# KiCad board AMLDC-2044B.kicad_pcb (continued)
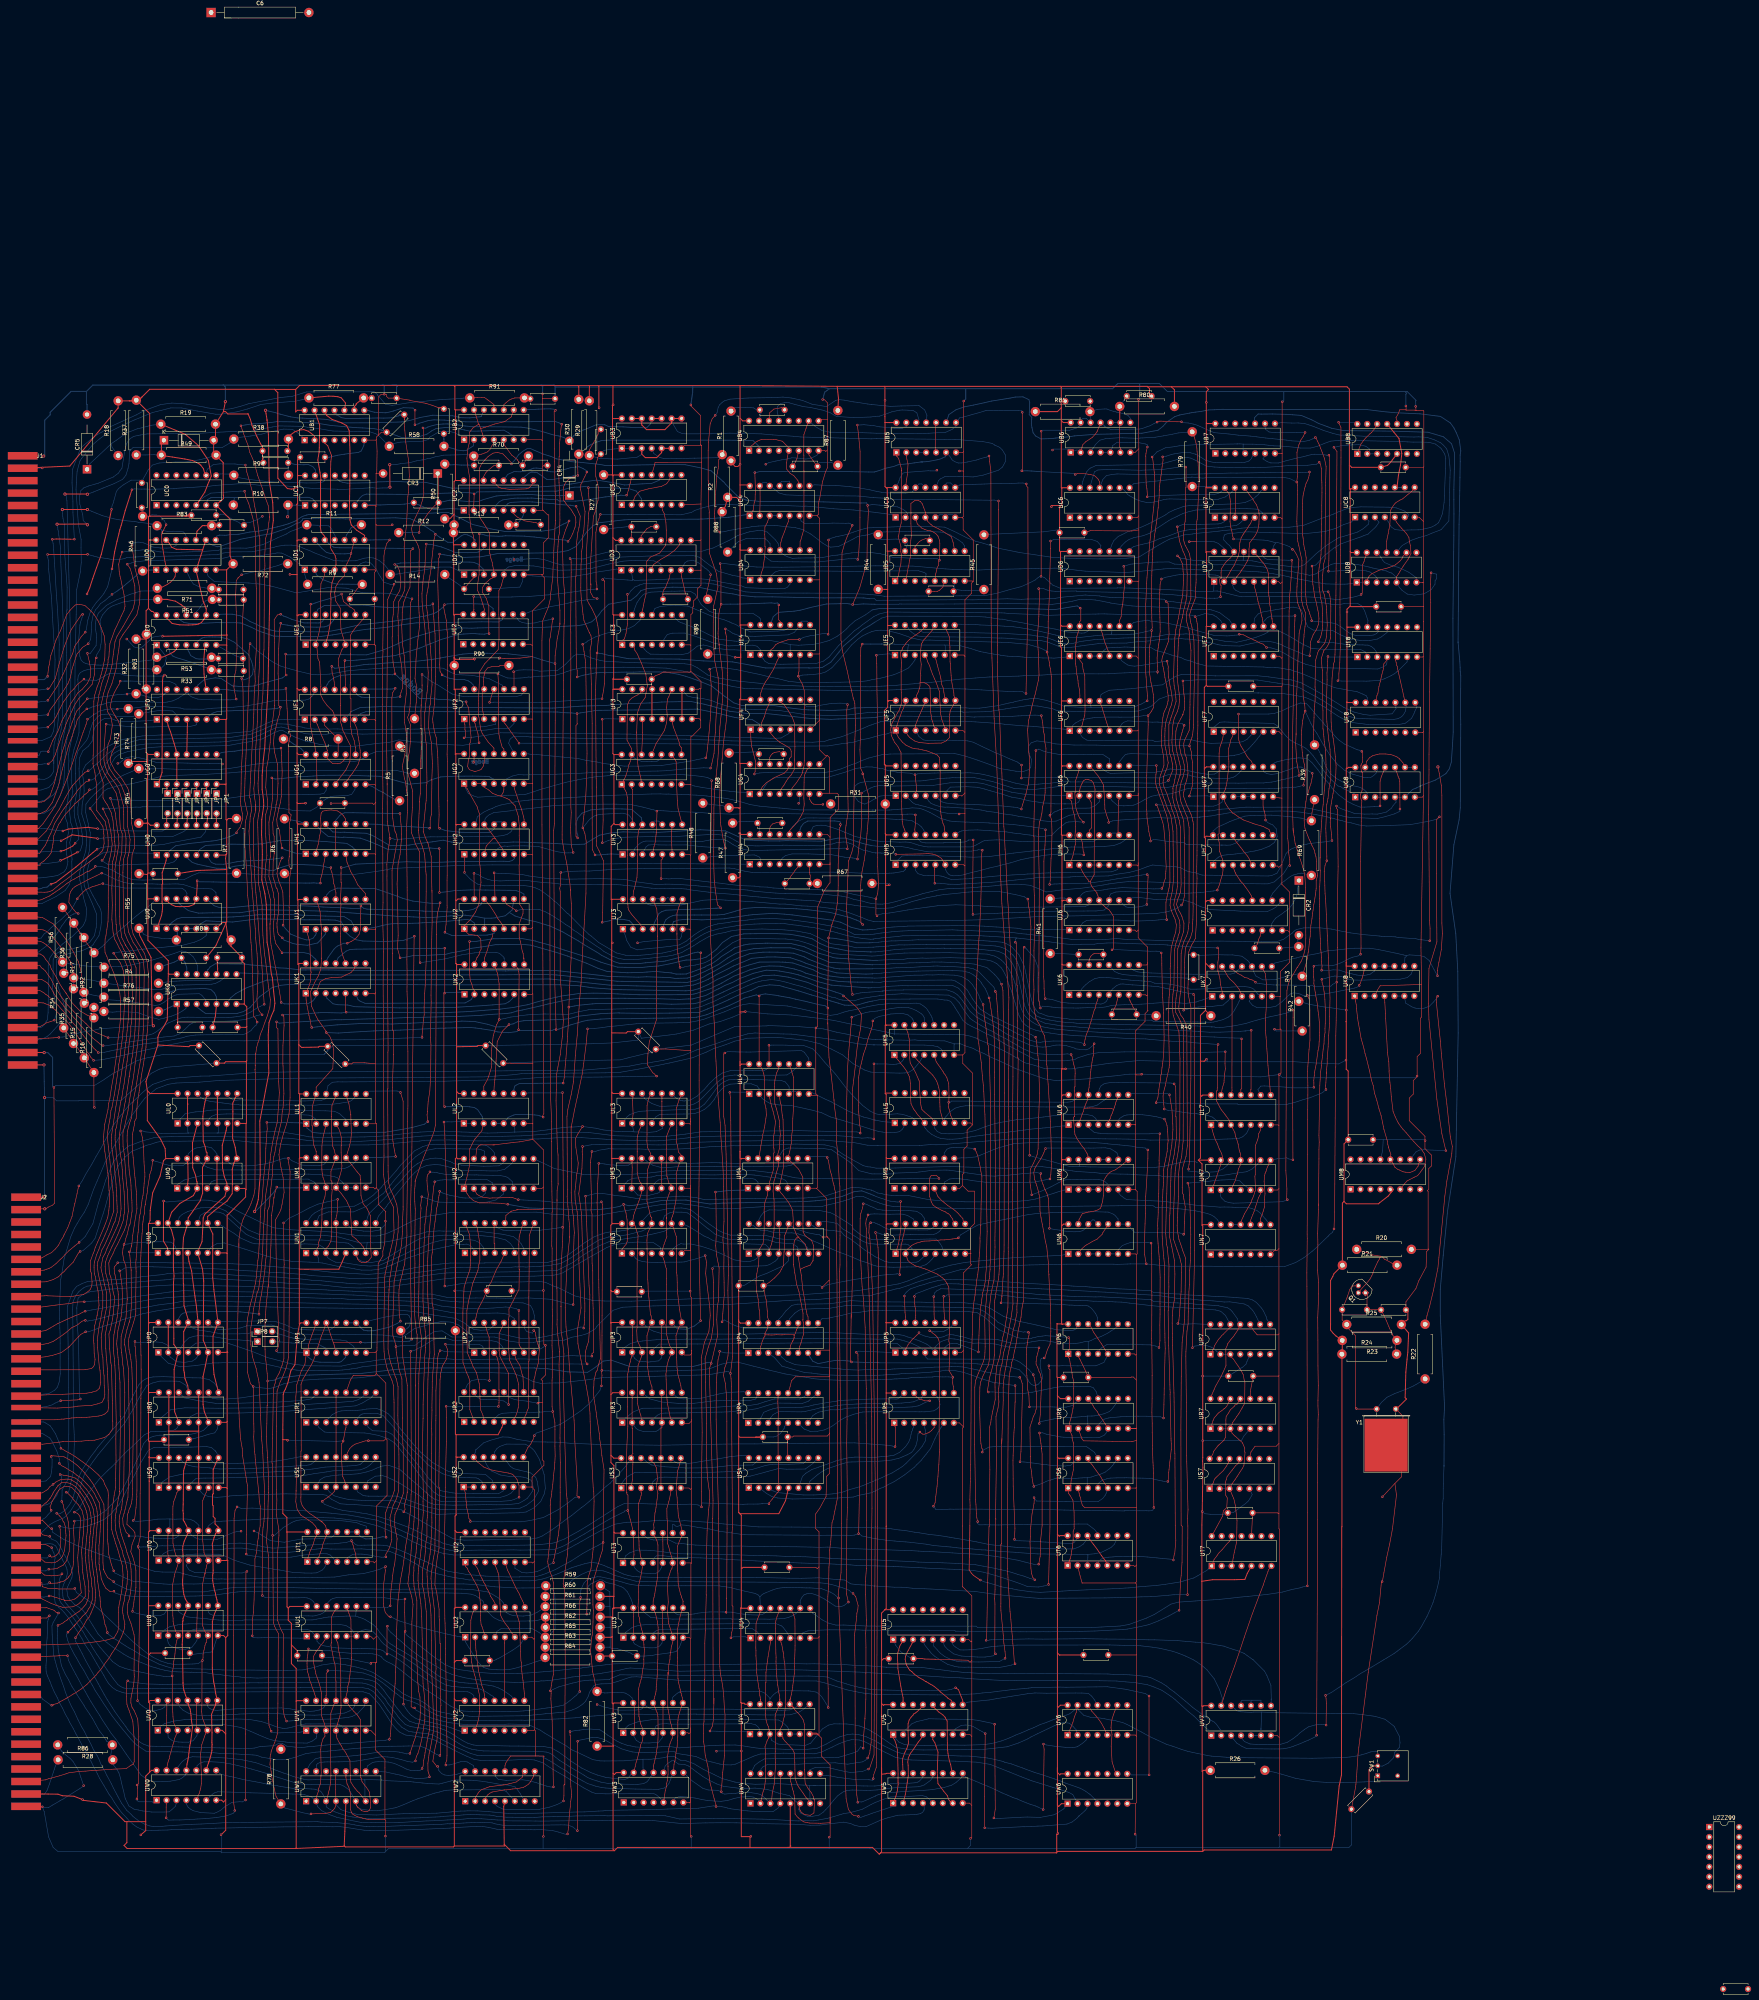
[diagram p0: board, top side]
## Routing (per net, layer and track width the routed paths; a pad name or vN(x,y) marks a point on that pad's centre or on a via; arc(x,y) is an arc through that point) (continued)
T0p9: length 241.6
  Top w0.2: UT6.5 352.47,109.08 352.01,109.67 351.43,110.43 350.13,112.33 349.37,113.32 348.3,114.69 UT6.12
  Bottom w0.15: 292.82,117.61 272.18,117.77 263.7,117.82 258.17,118.28 254.79,118.57 251.04,118.99 244.82,119.4 242.75,119.22 238.47,119.52 232.72,119.01 230.09,119.01 227.04,118.5 223.32,116.8 220.32,115.15 218.66,114.18 217.98,113.82 217.61,113.57 216.89,113.22 215.84,112.61 215.07,112.21 213.02,111.26 212.42,110.97 211.21,110.76 210.7,110.67 210.39,110.66 196.23,110.69 185.92,110.64 184.7,110.84 183.15,111.03 179.67,112.21 178.6,112.63 176.87,113.39 176.52,113.58 175.58,113.96 172.46,115.52 171.35,115.98 166.76,117.98 161.87,119.26 158.29,119.76 155.36,120.09 152.57,120.16 150.31,120.19 147.78,120.18 138.29,119.96 134.34,119.63 131.23,119.53 130.03,119.44 126.46,119.26 125.36,119.2 124.65,119.16 123.37,118.25 122.91,117.63 UT0.9 ; 292.82,117.61 293.09,117.61 ; 292.82,117.61 292.87,117.57 295.8,117.52 297.06,117.44 297.69,117.32 299.68,117.03 301.16,116.9 303.59,116.47 304.88,116.3 307.31,115.9 309.67,115.65 312.67,115.16 313.11,115.08 313.91,114.95 317.87,114.28 319.41,114 321.43,113.57 322.75,113.3 326.57,112.9 328.22,112.73 329.25,112.64 329.88,112.57 332.75,112.44 333.85,112.43 342.16,112.18 344.34,112.2 345.73,112.73 346.74,113.43 347.56,114.48 UT6.12
T0p10: length 7.8
  Top w0.15: 120.66,116.85 120.42,116.61 120.42,115.52 120.46,114.96 120.37,112.35 120.4,111.64 120.39,110.2 120.39,109.51 UT0.5
T0p13: length 129.5
  Top w0.15: 104.46,163.9 104.43,163.93 v1(104.43,165.18) ; UT0.2 112.83,110.98 112.83,112.42 112.81,114.18 112.85,115.27 112.89,115.99 UT0.13 ; 104.52,163.84 104.65,161.62 104.75,160.07 104.91,150.46 104.91,148.36 104.94,127.2 104.89,126.12 104.92,125.49 104.85,124.77 104.7,122.71 104.34,119.82 v1(103.99,119.46)
  Top w0.25: UN0.4 118.24,185.55 118.89,183.24 119.76,176.57 120.1,174.41 UP0.10 UP0.5 ; UP0.13 UP0.2
  Bottom w0.15: v1(103.99,119.46) 104.65,119.24 105.21,119.24 106.65,119.35 108.09,119.48 110.16,119.8 113.32,119.85 113.35,119.82 ; UP0.5 120.4,161.33 120.21,161.02 119.94,160.73 119.04,160.14 117.17,159.85 115.09,159.99 113.42,161.21 UP0.2 113.13,164.07 111.38,164.9 109.95,165.05 107.9,165.02 106.54,164.91 104.89,164.88 v1(104.43,165.18) ; UT0.10 120.78,118.21 120.11,118.85 119.55,119.31 119.04,119.53 118.61,119.75 116.9,119.85 115.07,119.8 114.63,119.78 113.52,119.83 113.35,119.82 ; 113.35,119.82 113.35,117.88 113.04,117.58 UT0.13
T1p11: length 22.7
  Bottom w0.15: UT1.11 154.64,115.07 151.63,114.8 146.91,114.71 143.92,114.16 142.61,113.9 139.02,114.31 136.85,115.68 135.74,116.32 v1(134.84,116.78) 134.82,116.79
T2p1: length 20.3
  Top w0.15: UT2.1 188.93,107.65 189.34,107.27 189.68,106.46 190.2,105.73 190.7,104.78 191.5,103.39 191.8,102.79 192.22,101.84 192.48,100.71 192.52,99.77 192.62,99.12 192.68,98.19 192.77,95.16 192.78,93.85 192.88,92.88 193.12,92.3 193.5,91.14 193.62,90.77 UU2.3
T2p2: length 12.8
  Top w0.15: UU2.11 196.43,98.26 196.01,99 195.32,100.09 194.9,101.1 194.57,101.76 194.32,102.08 193.89,103.11 193.55,103.67 193.13,104.54 192.58,105.62 191.94,107.24 191.38,107.97 UT2.2
T2p4: length 20.5
  Top w0.15: UU2.6 200.77,90.65 200.14,91.59 199.84,92.12 199.02,93.16 198.66,93.75 198.19,94.54 197.92,95.12 197.82,95.53 197.69,98.3 197.67,99.22 197.55,101.99 197.39,105.57 197.18,106.22 196.82,107.21 196.53,107.82 196.53,107.88 196.46,107.94 UT2.4
T2p5: length 13
  Top w0.15: UU2.8 203.67,98.47 203.38,99.09 203.05,99.73 202.68,100.62 202.22,101.45 201.73,102.32 201.17,103.52 200.63,104.69 200.1,105.81 199.61,106.79 UT2.5 199,108.47
T3p4: length 185.4
  Top w0.15: UP6.12 347.96,169.45 348.69,168.89 349.46,167.39 350.2,166.34 350.48,165.9 351.34,164.65 352.3,163.11 UP6.5 ; v1(337.95,158.97) 337.95,158.21 338.22,157.94 338.22,117.79 v1(337.87,103.12) 337.86,103.03
  Bottom w0.15: 337.31,102.86 v1(337.87,103.12) ; v1(337.95,158.97) 340.58,158.94 341.31,158.98 345.34,158.95 346.91,158.96 349.98,158.96 352.01,159.83 352.59,160.95 UP6.5 ; 337.27,102.86 336.63,102.72 335.36,102.47 332.53,102.56 330.48,103.36 327.35,104.43 324.77,105.26 321.23,106.25 318.7,106.67 315.24,106.89 313.82,106.98 312.47,107.03 306.45,107.3 304.56,107.42 300.32,107.61 299.41,107.64 298.71,107.72 298.16,107.74 ; 298.16,107.74 294.6,107.83 288.84,107.97 287.34,108.11 283.58,108.29 281.69,108.39 276.67,108.53 274.82,108.59 272.76,108.67 271.52,108.73 268.74,108.88 263.1,109.12 260.7,109.28 256.16,109.49 254.37,109.64 248.94,109.9 243,110 237.96,110.63 237.17,109.99 236.85,109.43 UT3.4 ; 298.16,107.74 298.36,107.73
T3p9: length 179.1
  Top w0.15: 289.21,115.92 v1(289.35,116.1) 289.57,127.93 289.16,161.49 289.16,161.95 v1(288.72,162.39)
  Bottom w0.15: UT6.3 347.91,110.05 347.92,110.59 347.81,110.78 ; UP5.1 289.28,162.7 v1(288.72,162.39) ; UT6.9 355.11,114.3 354.67,113.36 353.85,112.57 352.51,111.88 351.31,111.32 349.71,110.95 347.81,110.78 ; UT3.9 241.84,118.45 242.19,118.35 242.66,117.99 243.08,117.93 244,118.33 245.32,118.22 248.1,117.72 251.16,117.29 253.71,116.71 256.88,116.27 260.05,115.82 279.49,115.67 284.88,115.69 287.34,115.65 288.24,115.71 v1(289.35,116.1) 289.35,116.21 290.16,115.51 291.18,115.3 292.26,115.05 293.91,114.74 297.19,114.33 298.6,114.2 299.9,114.07 301.4,113.98 302.56,113.88 306.76,113.38 308.38,113.08 311.7,112.77 312.79,112.69 314.34,112.49 315.41,112.39 317.4,112.29 317.29,112.26 318.35,112.18 320.82,111.94 321.76,111.93 324.33,111.65 325.93,111.52 329.33,111.34 330.24,111.25 333.26,111.03 335.12,110.92 347.81,110.78
T3p12: length 164.9
  Top w0.15: UR6.12 348.66,149.58 349.19,148.88 349.51,148.22 350.37,147.2 350.67,146.49 350.75,146.49 351.61,145.27 352.35,144.06 UR6.5 ; v1(335.56,141.83) 335.61,141.41 335.73,140.29 335.82,139.87 335.92,139.11 336.12,137.76 336.05,137.98 336.22,136.41 336.22,118.12 335.82,114.19 335.82,111.71 335.73,110.32 v1(335.34,108.3) ; v1(335.34,108.3) 335.34,108.14 ; v1(335.34,108.3) 335.34,108.48
  Bottom w0.15: v1(335.34,108.3) 334.16,108.25 331.85,108.83 330.17,109.28 324.67,110.23 320.1,110.81 316.22,111 313.27,111.17 307.43,111.54 305.87,111.56 304.56,111.64 302.77,111.75 301.2,111.8 292.81,112.08 285.14,112.36 281.39,112.66 279.52,112.59 277.13,112.66 273.54,112.73 267.96,112.78 265.2,112.75 259.65,112.92 257.26,112.91 254.99,112.87 252.18,112.91 249.87,113.1 247.7,113.17 245.96,113.33 243.99,113.61 242.53,113.68 240.81,114.52 238.19,114.51 236.94,114.47 235.32,114.89 234.22,115.94 UT3.12 ; v1(335.56,141.83) 336.34,141.85 337.3,141.49 338.82,141.2 340.87,140.8 341.77,140.72 345.4,140.6 346.43,140.6 347.12,140.61 347.7,140.61 350.74,140.6 351.25,140.82 352.16,141.28 352.57,141.8 UR6.5
T6p4: length 164.2
  Top w0.15: 369.78,109.26 v1(369.76,109.36) 369.95,110.62 370.12,111.07 370.38,114.31 370.25,118.07 370.16,135.35 370.16,136.49 370.13,136.66 369.95,149.71 369.91,152.05 369.57,164.18 369.57,165.61 369.52,166.21 369.5,167.13 369.46,169.84 369.48,171.72 369.66,173.69 370,175.73 370.15,182.42 370.03,185.87 369.36,189.35 368.81,191.84 368.83,197.3 368.88,197.9 368.92,199.14 369.04,204.86 369.11,206.22 369.18,209.28 369.27,209.65 369.53,210.82 369.74,211.91 369.95,212.82 370.09,214.01 370.53,217.14 370.45,222.53 370.36,222.62 370.43,224.55 370.36,230.29 v1(369.95,230.97)
  Bottom w0.15: UL6.11 350.73,229.01 350.84,229.78 350.9,229.82 351.28,230.44 351.92,230.9 352.4,231.09 353.84,231.32 355.71,231.29 368.85,231.19 369.19,231.18 369.58,230.97 v1(369.95,230.97) ; UT6.4 350.62,109 351.64,109.83 353.23,110.08 354.33,110.14 355.12,110.23 360.99,110.28 363.12,110.13 365.56,109.9 366.98,109.75 369.6,109.52 v1(369.76,109.36)
TRK2: length 234.9
  Top w0.15: J1.87 80.07,254.85 81.15,254.22 81.63,253.81 81.85,253.69 82.15,253.51 82.4,253.25 83.05,252.69 83.37,252.31 84.06,251.65 84.8,250.98 85.66,250 86.05,249.61 87.12,248.28 87.74,247.49 87.99,247.21 90.1,244.82 91.29,243.24 91.84,242.57 92.49,241.78 92.86,241.26 93.4,240.75 93.62,240.43 93.84,240.12 94.42,239.61 ; v1(133.85,343.41) 133.71,342.58 133.56,341.57 133.63,334.62 133.17,323.61 132.93,317.83 132.78,314.08 132.55,308.88 132.49,306.59 132.41,303.54 133.2,300.04 132.62,297.81 132.49,292.12 132.91,286.25 133.23,279.01 133.52,276.33 134.07,267.06 134.27,265.22 134.4,260.73 134.49,258.4 134.75,248.26 135.27,247.65 v1(135.65,246.74) ; v1(95.08,238.95) 94.33,239.69
  Bottom w0.15: v1(133.85,343.41) 135.57,341.69 137.01,340.61 138.78,339.28 139.72,338.69 141.53,337.71 143.85,336.99 146.48,336.29 149.87,335.47 150.64,335.46 151.43,335.44 154.18,335.62 158.62,336.44 162.74,336.81 171.24,337.4 181.09,337.26 181.64,337.23 183.2,337.12 183.68,336.88 184.47,336.43 184.71,336.35 184.94,336.18 186.33,335.5 190.6,335.3 191.98,335.03 193.38,334.81 194.16,334.62 194.94,334.43 198.32,332.78 UF2.10 ; v1(135.65,246.74) 135.36,245.92 135.1,245.75 134.44,245.07 134.09,244.57 132.75,243.78 131.99,243.56 121.18,243.49 119.84,243.44 117.7,243.12 116.72,242.77 112.91,242.03 111.65,241.92 108.72,241.4 106.72,241.19 101.72,240.19 100.59,239.87 97.85,239.32 96.63,239.03 v1(95.08,238.95)
TRK3: length 248.5
  Top w0.15: 87.2,251.13 88.82,249.42 89.44,248.7 89.55,248.54 91.92,246.36 91.92,246.33 93.01,245.25 93.62,244.65 94.37,244.16 95.09,243.83 96.67,243.17 v1(97.59,242.77) 97.61,242.79 ; 135.29,302.27 134.93,304.48 134.8,306.38 134.93,307.82 135.07,311.04 135.18,312.74 135.31,316.78 135.43,318.63 135.71,323.55 135.74,325.93 136.04,332.55 136.08,334.9 136.27,338.51 136.33,341.82 136.33,370.3 136.18,370.83 135.78,374.44 135.03,378.48 134.53,381.4 134.54,381.75 133.73,384.81 133,387.24 132.79,388.43 v1(132.64,389.01) ; 135.29,302.27 135.3,300.88 134.76,298.73 134.7,290.69 134.97,285.51 ; 135.29,302.27 135.29,300.73 ; 134.96,285.74 134.97,284.53 135.32,279.76 135.45,278.47 135.74,274.89 135.85,273.28 136.24,267.64 136.83,261.85 137.32,253.26 v1(137.46,251.28) ; J1.83 80.14,261.2 80.55,260.59 80.96,260.32 81.55,259.78 82.54,258.35 82.96,257.82 ; 87.27,251.05 86.86,251.5 85.71,253.09 85.49,253.38 84.11,255.46 82.9,257.9
  Top w0.25: 122.64,386.38 122.17,387.15 121.93,388.05 121.23,389 120.78,389.35 119.18,390.15 117.18,390.55 114.03,391.05 111.18,391.45 111.18,394.7 CR1.1
  Bottom w0.15: 111.18,391.45 109.34,391.66 108.24,391.62 107.02,391.59 R37.1 ; v1(97.59,242.77) 99.14,242.77 ; 99.02,242.77 100.54,242.91 100.9,242.95 101.83,243.01 102.56,243.13 105.11,243.24 106.48,243.28 107.73,243.4 108.28,243.52 109.11,243.8 110.02,244.36 111.62,245.62 112.3,246.08 112.98,246.55 115.05,247.4 116,247.77 117.03,247.97 117.92,248 128.24,247.88 129.52,248.02 130.3,248.1 132.04,248.38 134.12,249.37 134.99,249.94 135.8,250.45 136.51,250.78 137.4,251.28 v1(137.46,251.28) ; 122.64,386.38 122.67,387.41 123.06,388.07 124.45,389.13 126.17,389.32 126.79,389.3 126.81,389.29 129.98,389.29 130.64,389.2 v1(132.64,389.01)
TRK4: length 232.4
  Top w0.15: 93.77,236.96 v1(93.86,236.96) 93.14,237.78 92.62,238.67 92.24,239.05 91.59,240.28 91.36,240.64 91.2,240.93 90.6,241.84 90.09,242.64 89.02,244.27 88.39,245.26 86.96,247.01 85.95,247.92 85.11,248.77 84.05,249.88 ; J1.89 79.9,251.67 80.42,251.67 80.88,251.64 81.11,251.64 81.49,251.43 82.4,251.14 83.19,250.51 84.27,249.72 ; v1(177.78,242.83) 177.78,243.26 177.96,245.06 178.11,247.09 178.33,248.58 178.32,250.68 178.39,252.53 178.45,253.98 178.59,255.97 178.71,259.26 178.95,264.92 178.77,274.87 178.84,280.09 178.84,284.32 178.75,285.17 178.44,289.6 177.83,291.69 177.09,293.68 176.86,295.84 ; 176.85,295.68 176.9,297.08 177.02,299.97 177.17,302.94 177.09,303.02 177.33,305.03 177.41,313.4 177.53,314.8 177.6,317.77 177.56,317.81 177.56,320.23 177.53,322.46 177.5,326.29 177.6,327.83 ; 177.53,327.5 177.76,329.75 177.8,332.82 177.78,332.79 177.76,335.55
  Bottom w0.15: v1(177.78,335.55) 178.51,334.95 180.26,333.67 181.64,332.94 185.47,330.53 187.76,330 188.36,329.91 189.72,329.93 193.28,329.93 200.66,329.87 202,329.92 203.11,330.22 203.74,330.91 UF2.8 ; v1(93.86,236.96) 95.93,237.12 97.04,237.34 99.77,237.9 102.06,238.45 104.45,238.95 107.33,239.64 109.4,240.07 110.72,240.47 117.09,241.68 119.63,242.11 127.36,242.05 132.37,241.96 141.51,242.1 144.74,242.08 148.93,242.18 157.82,242.22 163.03,242.24 177.21,242.83 v1(177.78,242.83)
TRK6: length 189.9
  Top w0.15: 93.32,285.69 93.07,285.54 92.77,285.32 92.29,285.18 91.82,284.97 90.88,284.33 90.51,284.14 90.25,284.05 89.59,283.66 88.89,283.26 88.19,282.91 87.26,282.29 86.98,282.1 85.5,280.95 85.2,280.73 85.04,280.6 84.04,279.95 83.68,279.68 83.3,279.46 82.62,278.96 81.76,278.57 81.13,278.26 ; 81.16,278.27 80.38,277.96 J1.73 ; 94.29,286.55 v1(94.31,286.52) 94.29,286.42 93.94,286.08 93.2,285.62
  Bottom w0.15: UH4.1 234.85,287.27 207.9,286.87 195.84,286.89 188.34,286.78 184.43,286.62 176.71,286.27 175.07,286.22 170.07,285.96 167.5,285.43 162.46,284.72 160.68,284.49 156.5,284.34 154.49,284.42 R6.1 139.31,284.42 138.09,284.42 136,284.43 R7.1 128.27,284.59 123.83,284.78 121.08,284.86 120.71,284.84 119.11,284.21 117,283.14 108.81,283.06 106.44,283.02 103.74,283.11 102.08,283.74 99.86,284.83 98.47,285.62 96.56,286.3 95.63,286.52 v1(94.31,286.52)
TUR: length 123.2
  Top w0.15: v1(83.02,122.06) 82.72,122.93 83.05,123.71 83.23,124.31 83.48,124.67 84.28,126.15 84.52,126.52 84.92,127.12 85.49,127.63 86.23,128.05 86.9,128.17 87.42,128.16 88.32,127.83 89.82,126.33 90.01,126.07 90.38,125.43 90.77,124.79 91.58,123.04 91.98,121.94 92.11,121.55 92.19,121.07 92.29,120.25 92.29,117.03 92.21,116.38 92.11,115.37 92.01,114.84 92.01,114.34 91.86,112.51 91.84,112.25 91.84,112.07 91.74,111.16 91.71,110.95 91.75,109.97 91.81,109.33 92.02,107.54 92.15,106.67 92.24,105.64 92.31,105.3 92.34,105.21 92.48,104 92.63,102.47 92.63,101.58 92.69,101.47 92.68,101.37 92.47,99.47 92.18,98.76 91.91,98.09 91.63,97.75 91.35,97.4 90.24,96.29 89.92,96.09 89.19,95.6 88.31,94.97 87.22,94.22 87.08,94.01 86.45,93.64 86.1,93.31 v1(84.75,92.66)
  Bottom w0.15: 83.07,122.01 v1(83.02,122.06) 83.07,121.82 82.24,120.99 82.13,120.82 81.55,120.16 80.92,119.81 80.79,119.54 J2.54 ; 97.21,63.09 97.23,63.08 ; 97.21,63.09 96.99,63.44 96.87,63.62 96.29,64.52 95.28,65.8 94.36,67.46 93.62,68.81 92.88,69.96 91.56,71.89 91.4,72.27 91.26,72.46 90.4,73.77 89.62,74.99 89.32,75.54 88.37,76.96 87.88,77.9 87.42,78.85 86.66,80.12 86.07,81.42 85.64,82.35 85.24,84.41 85.13,84.86 84.8,86.62 84.78,87.21 84.56,89.38 84.63,90.1 84.63,91.08 84.63,91.62 84.6,91.93 v1(84.75,92.66) ; 97.21,63.09 R28.1 98.26,59.57 R86.2 98.89,57.04 99.77,55.97 100.33,54.98 100.74,53.63 101.02,52.3 101.5,50.41 101.95,48.45 102.88,46.54 104.19,45.72 105.25,45.52 106.31,45.28 107.71,45.14 108.65,44.99 112.03,44.99 113.14,45.04 113.89,45.63 114.74,46.43 115.21,47.83 UW0.3
U0p1: length 98.1
  Bottom w0.15: UV2.11 196.05,73.67 196.05,74.49 195.53,74.78 195.38,74.84 194.65,75.34 193.86,75.83 192.83,76.34 192.21,76.5 189.03,76.83 188.32,76.86 187.89,76.87 185.38,77.08 183.98,77.4 182.58,78.09 181.25,78.99 180.27,79.65 178.65,80.75 177.2,81.81 175.74,82.85 174.55,83.6 172.71,84.86 171.96,85.27 170.53,86.22 169.46,86.85 167.98,87.93 167.35,88.57 166.43,89.86 165.86,90.46 165.4,90.94 164.96,91.25 164.53,91.43 163.29,91.56 162.68,91.44 162.27,91.32 161.27,90.78 UU1.6 ; UU1.6 160.49,90.6 159.87,91.58 159.56,91.88 158.36,92.61 156.83,92.89 154.7,92.94 128.86,92.77 128.84,92.79 126.61,92.79 125.25,92.85 119.85,93.1 118.19,93.06 115.82,92.87 115.26,92.77 114.26,92.53 113.34,92.34 112.11,91.58 110.4,90.07 UU0.1 ; UU1.6 161.04,90.32 ; UU1.6 UU1.5
U0p4: length 309.4
  Top w0.15: v1(168.93,92.47) 168.83,92.38 v1(168.83,85.33) 168.83,85.22
  Bottom w0.15: UU0.4 117.97,91.05 119.52,91.65 120.06,91.72 121.02,91.73 125.1,91.58 126.22,91.61 148.43,91.61 149.14,91.42 149.65,91.08 150.01,90.54 UU1.2 150.94,88.62 151.47,88.02 152.36,87.51 153.89,87.24 155.73,86.93 156.53,86.87 161.25,86.75 162.32,86.75 165.19,86.67 166.87,86.55 167.81,86.2 168.27,85.82 v1(168.83,85.33) 169.22,85.48 170.34,84.84 171.78,83.94 172.54,83.44 173.56,82.7 174.41,82.06 176.46,80.45 177.34,79.88 177.98,79.46 179.79,78.19 180.98,77.26 181.26,77.1 182.11,76.68 183.49,76.07 183.68,76.02 184.18,75.92 184.7,75.84 185.25,75.82 187.11,75.82 187.24,75.83 188.31,75.73 189.32,75.71 189.82,75.6 190.5,75.18 191.01,74.76 191.05,73.59 UV2.13 ; v1(168.93,92.47) 169.14,91.6 169.85,90.83 170.85,90 171.54,89.29 172.49,88.54 173.37,87.75 173.71,87.42 174.74,86.58 176.92,84.92 178.2,84.09 179.3,83.48 181.05,82.41 182.8,81.39 184.02,80.74 185.42,80.16 186.52,79.84 188.61,79.31 190.47,78.98 193.26,78.63 193.67,78.57 195.17,78.46 196.1,78.35 201.5,78.1 202.96,78.13 203.44,78.12 205.66,78.28 206.96,78.27 208.22,78.49 208.88,78.47 209.85,78.57 210.74,78.65 214.12,79.13 215.13,79.25 216.11,79.48 216.93,79.55 217.61,79.62 218.66,79.78 219.46,79.89 220.69,79.98 221.45,80.15 223.35,80.36 223.9,80.49 226.9,80.97 228.38,81.25 230.09,81.67 230.98,81.78 243.56,80.95 253.83,81.14 262.61,81.25 264.44,81.29 269.15,81.4 275.94,81.25 290.41,80.69 292.43,80.54 296.23,80.33 297.2,80.29 298.93,80.18 299.92,80.13 300.93,80.06 305.38,79.83 311.08,79.45 315.08,79.28 317.08,79.14 318.68,79 322.4,78.79 323.14,78.75 326.24,78.59 329.1,78.62 329.74,78.61 339,78.61 339.05,78.56 350.89,78.56 350.93,78.52 355.25,78.45 357.48,78.24 360.12,78.03 361.14,77.84 363.08,77.52 364.79,76.94 366.85,76.06 369.1,74.56 369.79,74.05 370.21,73.68 373.6,70.64 375.01,69.5 377.88,66.65 378.91,65.79 379.22,65.46 UV7.1
U0p9: length 318.1
  Top w0.15: v1(173.04,72.54) 173.19,84.39 173.23,85.69 173.25,87.88 173.27,90.96 v1(173.46,91.15) 173.35,96.05 173.37,98.42 173.37,99.35 v1(173.43,99.41)
  Bottom w0.15: 296.38,81.98 291.27,82.38 287.87,82.49 285.66,82.67 284.15,82.7 280.57,82.77 278.01,82.86 276.05,82.83 271.23,82.94 266.97,82.86 258.65,82.74 242.78,82.49 237.28,83.1 226.55,82.83 225.63,82.7 224.65,82.59 221.38,82.21 220.4,82.03 218.88,81.84 218.39,81.75 217.02,81.64 212.89,81.2 211.87,81.07 208.83,80.82 206.97,80.67 204.81,80.51 202.29,80.37 197.85,80.33 196.44,80.36 192.52,80.62 190.54,80.92 187.42,81.33 185.54,81.81 183.67,82.62 181.2,84.37 180.4,84.9 180.31,84.99 178.8,86.24 177.86,86.96 174.74,89.51 174.25,89.86 173.7,90.31 v1(173.46,91.15) ; 296.38,81.98 305.52,81.93 307.58,81.63 310.17,81.34 311.19,81.21 313,80.98 313.59,80.94 316.09,80.66 317.21,80.66 318.02,80.55 320.83,80.37 327.46,80.41 329.18,80.43 329.64,80.42 353.03,80.25 354.49,80.14 356.97,80.1 358.53,80.03 360.61,79.87 363.05,79.55 364.01,79.28 366.64,78.02 367.99,77.17 368.87,76.44 369.98,75.66 372.93,73.22 374.71,71.7 378,69.27 379.15,68.56 379.79,68.19 380.23,67.95 380.78,67.38 381.73,66.06 381.98,65.81 UV7.2 ; 296.38,81.98 296.49,81.97 ; v1(173.04,72.54) 173.14,72.24 173.54,71.54 173.88,71.05 174.1,70.77 174.52,70.23 175.02,69.7 176.03,69 176.86,68.62 177.27,68.57 178.01,68.32 178.67,68.18 179.17,68.1 180.06,67.88 181.32,67.59 182.48,67.29 183.7,66.97 184.38,66.76 185.34,66.47 185.76,66.28 186.46,66.02 187.41,65.7 187.77,65.48 UV2.1 ; v1(173.43,99.41) 172.4,99.29 171.27,99.35 170.14,99.45 168.24,99.71 167.35,99.71 156,99.78 154.96,99.5 154.51,99.28 154.36,99.13 153.42,98.19 UU1.12 153.16,96.44 152.96,96.24 152.64,95.92 151.79,95.49 150.49,95.12 149.8,95.05 148.82,95.1 131.17,95.19 129.5,95.13 125.86,95.14 124.32,95.26 123.58,95.58 123.25,95.96 123.08,96.61 UU0.9
U1p9: length 97.3
  Bottom w0.15: UU0.12 115.53,96.21 116.29,95.64 117.8,94.84 119.26,94.65 122.86,94.34 123.71,94.21 125.84,94.03 127.04,93.97 131.89,93.97 131.97,93.98 132.5,94.06 149.66,94.06 149.96,94.08 150.78,94.24 152,94.48 152.67,94.6 153.97,94.81 155.15,94.83 156.43,94.91 158.57,95.04 160.83,95.04 ; UV2.9 201.38,73.8 200.54,74.64 200.02,75.04 198.84,75.83 198.28,76.21 197.23,76.71 195.95,77.18 194.83,77.37 193.02,77.6 192.02,77.72 189.57,77.91 188.66,77.98 187.18,78.15 185.63,78.45 184.78,78.64 183.81,78.91 183.05,79.26 182.14,79.67 181.25,80.28 179.37,81.67 176.71,83.59 175.96,84.11 175.04,84.72 172.94,86.03 171.6,86.74 170.14,87.68 169.63,87.98 168.66,88.84 168.01,89.72 167.02,90.85 166.36,91.77 166.03,92.19 165.32,92.85 164.09,93.61 163.32,94.09 162.61,94.44 161.62,94.77 160.83,95.04 ; 160.83,95.04 UU1.9
U2p2: length 16.5
  Top w0.15: UU2.2 191.45,88.54 191.43,88.15 191.41,87.87 191.52,87.4 191.51,86.9 191.56,86.24 191.62,85.91 191.66,85.15 191.79,84.35 192.05,82.32 192.12,81.99 192.18,81.24 192.44,80.14 192.85,78.26 193.05,77.36 193.23,76.82 193.44,76.27 193.76,74.87 UV2.12
U2p5: length 16.2
  Top w0.15: UV2.10 198.84,88.14 198.82,88.16 UU2.5
U2p9: length 24.1
  Top w0.15: UV2.8 203.92,75.33 203.8,76.56 203.67,77.61 203.59,78.57 203.45,79.39 203.35,80.22 203.28,80.86 203.19,81.8 203.14,83.25 203.05,83.61 202.95,85.92 202.89,87.26 202.87,88.34 202.73,92.13 202.75,93.09 202.29,94.63 201.8,96 UU2.9
U2p13: length 32.1
  Top w0.15: UU2.13 190.66,95.69 190.42,94.71 190.24,93.96 190.21,85.42 190.39,83.98 190.39,83.46 190.5,83.1 190.69,81.99 190.8,81.4 190.95,81.1 191.17,80.11 191.41,79.42 191.56,78.62 191.96,77.15 192.19,76.02 192.51,74.64 192.51,71.43 192.48,70.76 192.25,68.74 192.04,67.98 191.76,67.07 UV2.2
U3p1: length 441.4
  Top w0.15: 371.28,345.83 371.11,344.65 371.01,343.64 371.01,342.97 370.91,340.49 370.78,339.04 370.83,337.68 370.78,337.03 370.78,336.74 370.78,336.27 370.74,335.52 370.73,334.76 370.98,332.59 371.23,330.79 371.28,330.01 371.33,329.11 371.18,327.47 371,326.86 370.79,326.09 370,324.38 369.77,323.39 369.64,322.64 369.47,320.33 369.39,318.15 369.58,315.99 369.88,315.06 370.05,314.09 370.35,313.07 370.46,312.41 370.54,311.95 370.48,310.94 370.49,310.25 370.14,308.71 369.98,307.78 369.81,307.27 369.6,306.46 369.66,306.39 369.66,305.64 369.59,304.16 369.79,302.85 370.08,302.08 370.15,301.62 370.55,300.74 370.83,299.67 370.97,299.16 371.09,298.74 371.3,298.21 371.32,297.76 371.54,296.54 371.74,281.8 371.6,279.98 371.31,279.28 371.18,278.81 370.89,278.13 370.73,277.51 370.57,276.81 370.8,276.11 371.13,275.23 371.56,274.56 371.95,273.68 372.46,272.01 372.4,269.97 371.73,267.88 371.32,266.68 370.88,265.51 370.79,260.71 370.88,256.2 370.84,255.48 370.78,254.92 370.54,253.62 370.45,252.86 370.32,251.4 370.28,250.93 370.34,249.26 371.22,247.69 371.53,247.01 372.27,245.43 372.28,244.52 372.4,242.59 372.33,237.64 372.26,216.3 372.05,214.52 371.88,212.37 371.35,210.42 371.1,207.88 371.04,202.27 370.84,196.93 370.8,195.96 370.73,194.78 370.8,193.39 371.03,192.1 371.2,191.16 371.63,190.03 372.18,188.3 372.9,186.43 372.64,170.74 372.5,169.66 372.32,168.03 372.17,166.32 372,164.98 371.77,156.19 371.68,142.57 371.74,118.26 372.01,117.98 371.98,108.81 371.75,105.38 371.61,104.18 371.26,96.52 371.26,96.52 v1(371.22,96.52) 371.22,96.48 371.19,96.45 ; 371.24,345.26 371.41,346.96 371.63,348.26 372.07,350.13 372.05,350.15 372.2,350.73 372.34,351.73 372.61,352.69 372.97,354.22 373.22,355.87 373.29,361.22 373.25,361.65 373.18,363.66 372.99,365.11 372.62,366.19 372.23,367 371.79,368.25 371.29,369.69 371.25,370.13 370.87,372.29 v1(370.76,373.24)
  Bottom w0.15: UU3.1 229.79,90.89 231.36,92.03 232.5,92.48 233.73,92.75 236.05,92.93 238.22,92.9 266.09,93.17 268.15,93.14 269.71,92.5 270.1,92.09 271.12,90.73 271.14,90.64 271.35,90.29 271.87,89.42 274.41,89.42 275.11,90.77 276.37,91.26 277.87,91.39 281.94,91.53 286.95,91.5 289.21,91.51 290.42,91.45 292.55,91.43 307.33,91.43 307.43,91.33 313.93,91.33 314.07,91.19 330.74,91.03 332.23,91.02 336.56,91.04 337.83,91.03 342.84,91.09 345.89,91.14 349.7,91.22 356.89,91.6 357.95,91.71 360.63,92.21 363.46,92.84 365.98,93.82 368.56,95.06 369.96,95.84 v1(371.22,96.52) ; v1(370.76,373.24) 371.31,373.52 372.07,373.77 376.33,373.88 376.64,373.86 ; 376.64,373.86 381.18,373.97 381.87,374.08 382.2,374.25 382.69,374.49 382.77,374.64 UC7.2 ; 376.64,373.86 376.82,373.85
U3p4: length 30
  Bottom w0.15: 264.25,89.42 263.83,90.49 263.38,91.03 262.16,91.82 260.1,91.88 247.19,91.71 241.05,91.69 239.55,91.68 238.42,91.57 237.61,91.28 236.96,90.8 236.77,90.38 UU3.4
U3p9: length 194.3
  Top w0.15: v1(255.14,238.85) 254.87,238.58 254.87,229.31 254.77,227.07 254.87,222.61 255.21,220.39 255.47,213.04 255.51,211.2 256.04,184.83 256.04,181.96 255.93,178.26 256.16,167.61 256.12,165.66 256.13,163.83 255.95,161.47 255.52,159.53 255.13,158.42 254.81,156.52 255.3,154.41 255.63,150.55 255.67,144.78 255.72,117.41 255.64,102.09 255.52,99.64 255.62,99.54 255.62,96.21 v1(255.46,96.04) 255.62,95.88 255.62,95.65
  Bottom w0.15: v1(255.14,238.85) 255.85,239.19 257.77,239.15 258.78,239.11 260.6,239.1 261.73,239.09 274.73,239.46 275.44,239.04 276.45,237.68 276.61,237.33 UL4.8 ; 241.92,97.14 242.16,96.07 243.02,95.39 244.25,95.32 245.25,95.33 246.48,95.49 247.33,95.59 248.12,95.77 250.16,96.01 251.19,96.08 253.31,96.09 254.6,96.09 254.84,96.09 v1(255.46,96.04) 256.88,96.04 257.32,95.95 259.35,95.6 259.84,95.54 261.3,95.38 263.59,95.3 264.84,95.47 265.23,95.76 265.79,96.16 UU4.12
U4p8: length 319
  Top w0.15: UK8.13 418.45,259.75 418.3,259.17 418.11,258.28 417.96,257.85 417.51,256.64 417.23,256.12 417.23,256.12 v1(417.25,256.1) 417.23,256.08 417.23,255.94 ; 404.18,102.61 v1(403.99,102.75) 404.03,121.4 403.88,179.23 403.87,182.68 403.97,191.48 403.94,192.6 404.02,203.76 404.09,212.96 404.09,221.89 404.09,224.47 404.12,228.13 404.12,230.59 404.05,234.1 404.12,235.49 404.42,239.67 404.66,242.15 404.64,249.69 404.59,251.09 404.47,252.55 404.2,253.17 v1(403.98,253.58)
  Bottom w0.15: v1(417.25,256.1) 416.91,255.76 416.55,255.59 415.98,255.43 414.76,255.15 413.96,255.01 411.99,254.61 408.59,253.96 407.36,253.77 406.87,253.73 405.1,253.5 v1(403.98,253.58) 403.34,253.51 402.99,253.51 402.15,253.9 401.65,254.04 400.57,254.22 399.69,253.95 398.87,253.28 397.51,251.92 396.94,251.52 395.97,250.81 394.1,250.41 392.9,250.43 391.02,250.5 389.96,251.05 389.13,252.04 UK7.5 ; 296.89,92.47 319.36,92.47 319.7,92.13 348.9,92.13 351.48,92.25 356.14,92.5 358.39,92.89 362.82,94.5 364.88,95.45 369.12,98.09 371.01,98.6 375.33,98.89 376.82,99 379.94,99.19 381.51,99.3 384.46,99.61 386.24,99.82 388.83,100.07 393.85,100.58 397.57,101.16 399.9,101.8 402.15,102.25 402.71,102.44 403.39,102.64 v1(403.99,102.75) ; 296.89,92.47 291.65,92.5 285.55,92.75 283.55,92.73 281.69,93.23 280.4,93.88 280.01,94.08 278.74,95.03 277.64,95.72 UU4.8 ; 296.89,92.47 296.94,92.47
U5p2: length 17
  Top w0.2: UU5.2 300.25,88.08 299.84,87.36 299.37,85.74 299.23,84.73 299.36,82.82 299.37,81.63 300.11,77.18 300.37,75.73 300.7,74.16 300.7,73.55 UV5.15
U5p3: length 23
  Top w0.2: UU5.3 302.96,88 302.56,87.28 302.04,86.32 301.77,85.87 301.5,85.22 301.3,84.7 301.23,83.96 301.53,82.57 302.11,81.69 302.1,81.6 302.46,81.18 302.94,80.85 303.52,80.23 304.74,79.34 305.83,78.75 306.54,78.27 306.59,78.28 307.2,77.94 307.68,77.63 308.21,77.36 308.65,77.07 309.64,76.24 310.27,75.65 312.02,74.22 312.16,74.05 313.01,73.52 313.01,72.79 UV5.10
U5p4: length 526.7
  Top w0.15: v1(335.76,250.33) 335.55,251.5 335.45,251.98 335.36,252.25 335.51,282.51 335.24,294.59 335.55,297.86 335.87,298.56 336.04,299.78 336.18,300.12 336.29,301.43 336.39,301.85 336.54,302.56 336.75,303.47 336.88,304.23 336.99,305.33 336.99,305.95 337.2,316.7 336.94,318.16 336.75,320.3 336.56,320.98 336.35,323.35 336.1,324.55 v1(336.02,325.01) ; v1(331.64,265.88) 331.47,265.71 331.43,175.47 331.09,173.76 330.82,171.29 330.49,169.74 330.37,169.11 330.09,167.93 329.98,166.86 329.82,166.15 329.45,163.81 329.15,162.74 328.84,161.01 328.45,159.75 328.39,158.99 328.03,157.6 327.82,156.19 327.74,154.36 327.56,147.06 327.37,117.66 327.37,107.12 327.34,106.48 327.46,105.63 327.49,104.91 327.65,102.12 328.02,96.26 328.23,94.2 328.41,91.96 328.6,89.95 328.74,88 328.88,86.8 329.13,83.08 329.31,82.9 v1(329.31,82.86) 329.34,82.86 329.4,82.8
  Bottom w0.15: 293.84,324.6 294.86,324.81 296.14,324.92 308.7,324.8 311.06,324.76 313.68,324.74 314.99,324.79 317.21,324.75 319.01,324.64 319.06,324.69 326.35,324.75 328.58,324.83 330.1,324.94 330.9,324.97 332.27,325.07 334.4,325.14 335.28,325.1 v1(336.02,325.01) ; v1(331.64,265.88) 331.68,265.92 332.09,265.57 332.25,265.41 332.38,265.25 334.26,263.13 335.17,260.71 335.2,259.06 335.16,258.03 335.14,254.68 335.34,252.77 v1(335.76,250.33) 336.38,250.8 337.63,250.71 338.68,250.58 339.7,250.43 341.35,250.37 344.27,250.34 345.4,250.33 345.98,250.35 346.66,250.38 347.83,250.42 349.86,250.39 350.76,250.39 352.71,250.65 354.05,251.03 357.19,251.18 358.28,251.2 361.52,251.32 363.65,251.45 364.71,251.56 367.07,251.73 368.4,251.77 369.26,251.8 372.9,251.51 375.64,251.88 376.26,252.13 377.14,252.37 378.22,252.77 UK7.1 ; v1(329.31,82.86) 328.39,82.53 326.59,82.14 325.34,81.93 324.42,81.86 322.75,81.86 322.06,81.89 321.02,81.93 317.38,81.99 316.42,81.96 314.9,82.01 313.93,82.18 312.1,82.71 310.09,83.88 308.69,84.83 307.8,85.65 307.56,85.99 307.07,86.6 306.13,87.76 UU5.4
  Bottom w0.2: 294.02,324.61 292.82,324.5 284.11,324.15 282.32,324.06 276.99,324.28 265.67,325.56 261.42,325.58 260.62,325.59 256.43,326.12 252.69,327.18 249.94,327.92 246.42,328.63 239.08,328.49 235.93,328.25 230.51,328.07 224.67,327.61 218.67,327.45 211.15,326.94 176.5,327.2 167.82,327.33 161.97,327.07 159.81,326.11 UF1.5
